# Altium PCB smoothieboard-alt.PcbDoc (part 2 of 3)
Units mm, origin at the board's own origin, x right, y up, seen from the top; angles counter-clockwise.
Board outline 129.67 x 105.03 mm, 4 copper layers (Top Layer, Layer 1, Layer 2, Bottom Layer), stack 1.876 mm thick; 360 components, 243 nets, 1161 pads, 133 vias.
Unrouted connection lines stored in the file: 613.
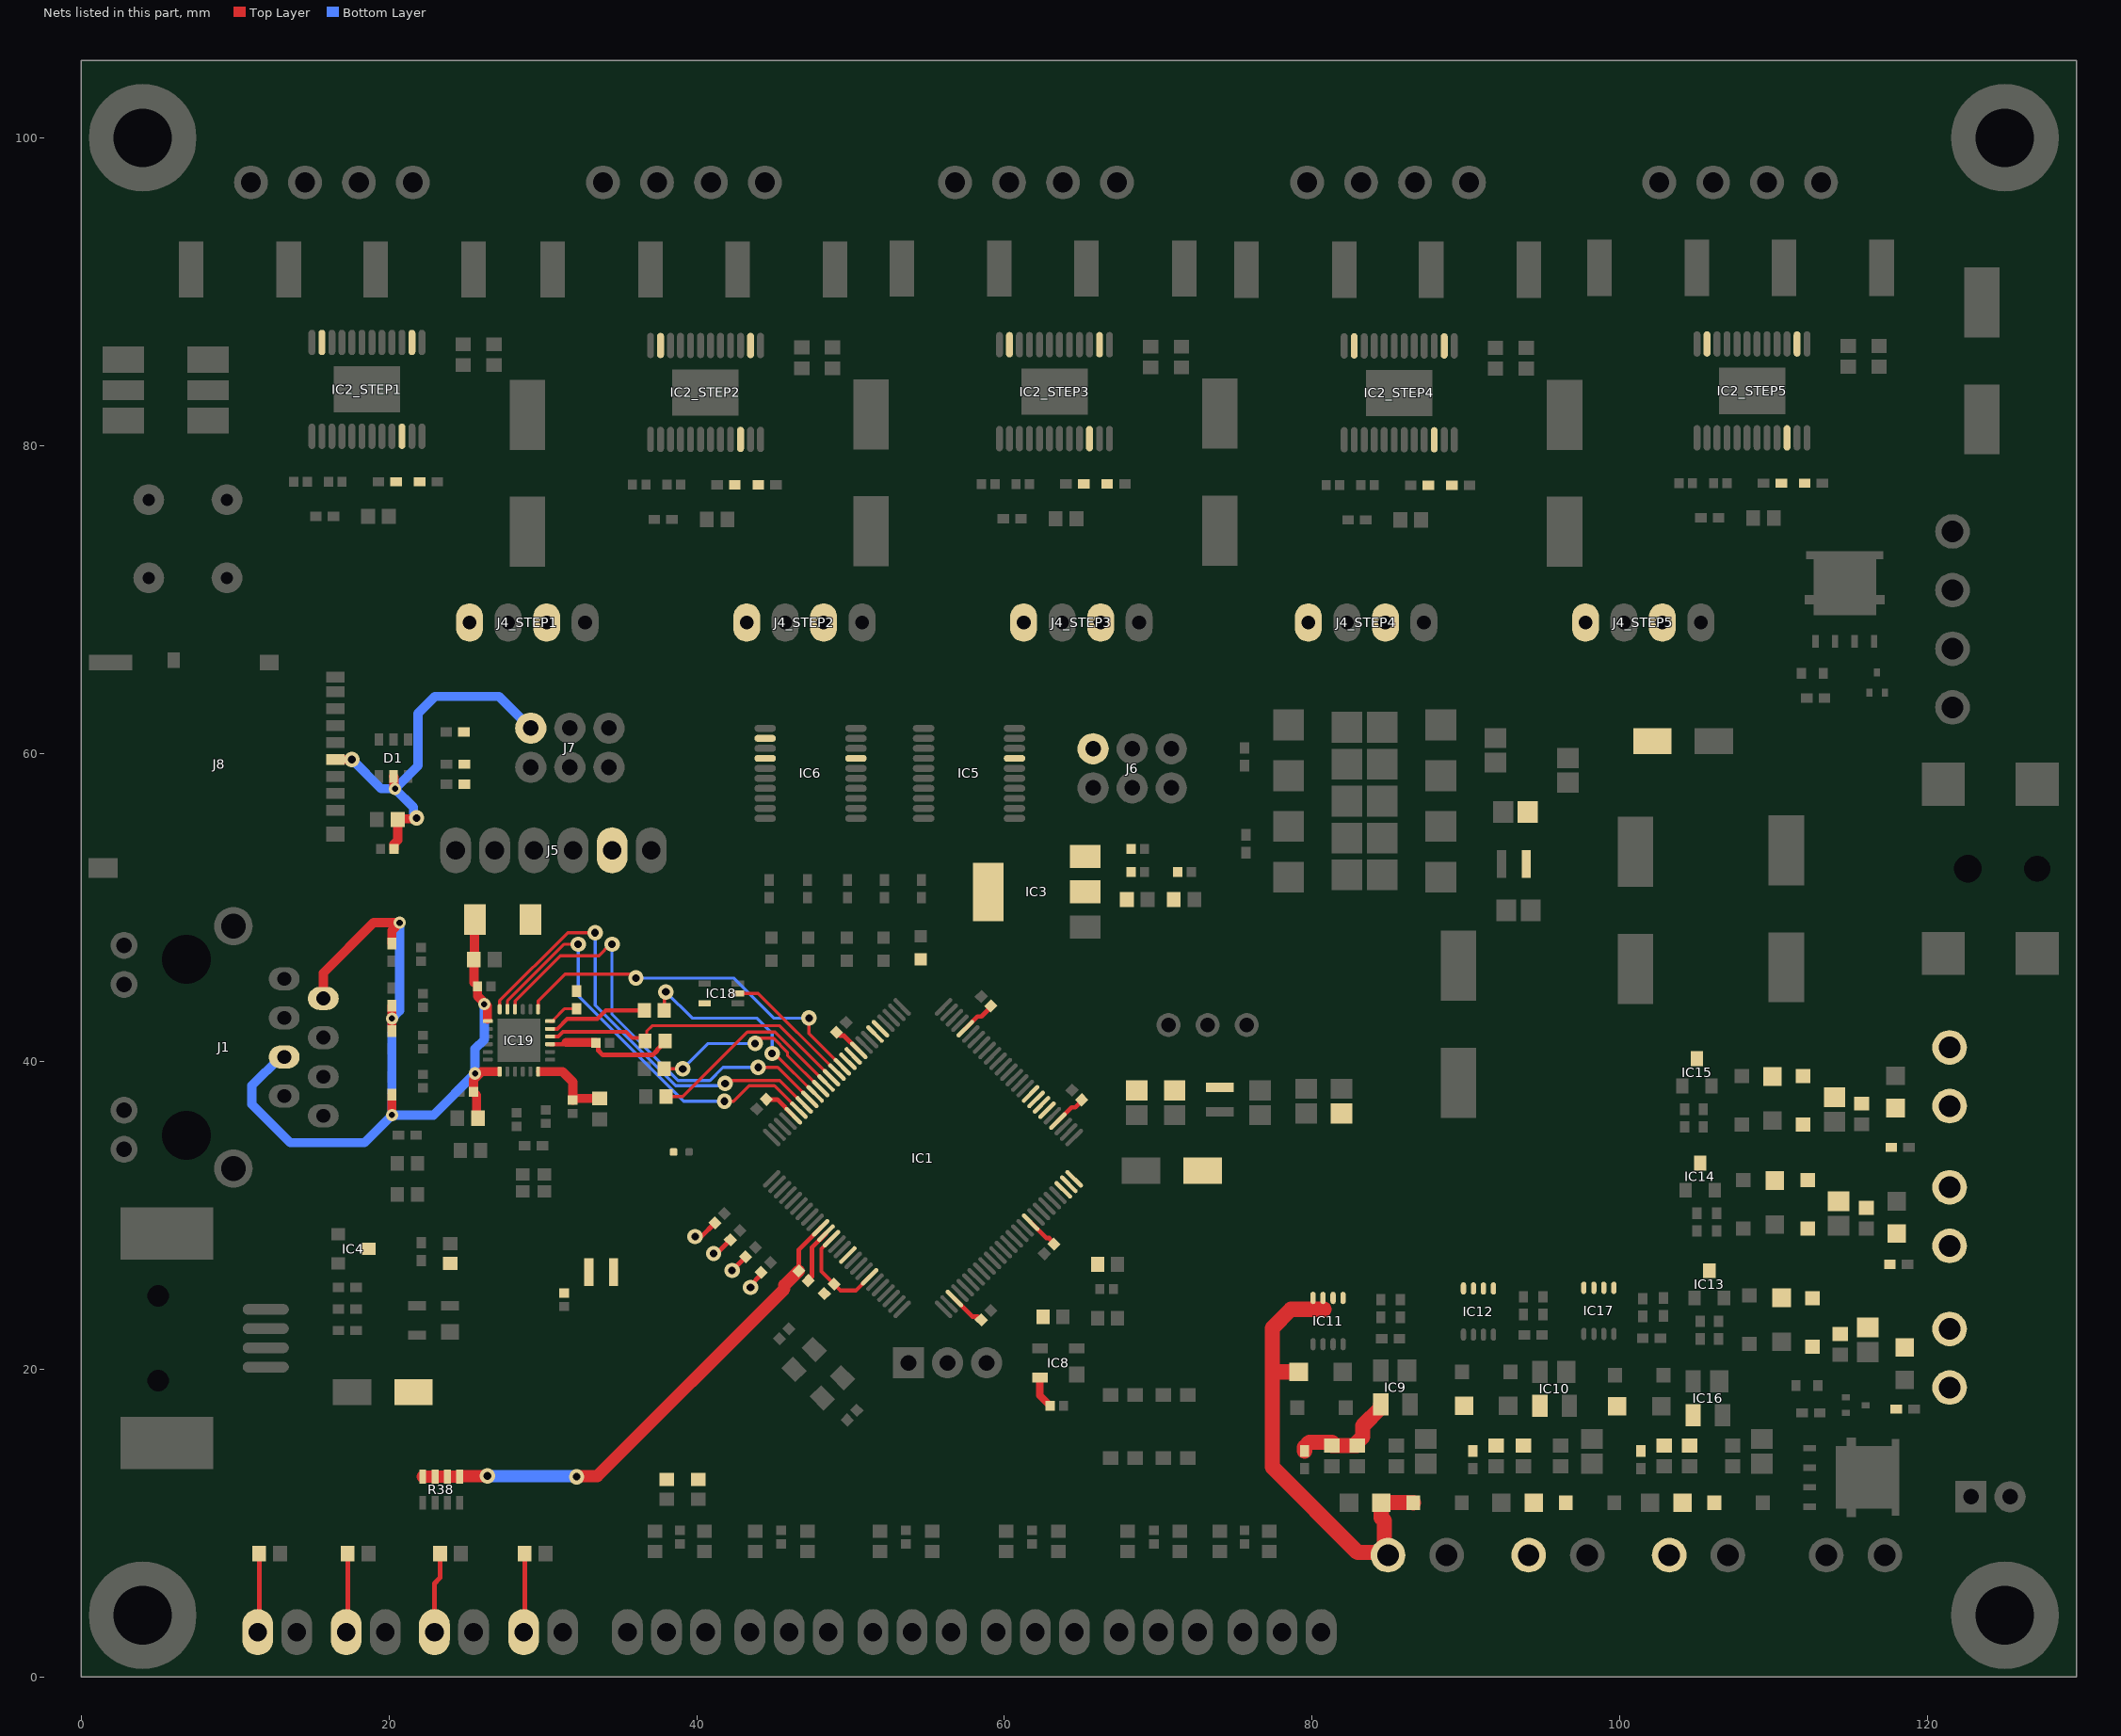
[diagram p3: the nets of this part, all layers, seen from the top]

## Part data
A1: "DC DC CONVERTER 5V 3W", Current - Output (Max)=500mA, Manufacturer="Recom Power", Operating Temperature="-40°C ~ 85°C", Package / Case="3-SIP Module", Power (Watts)=3W, Supplier Part Number 1=945-1648-5-ND, Voltage - Input (Max)=28V, Voltage - Input (Min)=7V, Voltage - Output 1=5V, Applications="ITE (Commercial)", ComponentLink1Description=Datasheet, ComponentLink1URL=https://www.recom-power.com/pdf/Innoline/R-78Exx-0.5.pdf, ComponentLink2Description="DigiKey Link", ComponentLink2URL=http://digikey.com/product-detail/en/recom-power/R-78E5.0-0.5/945-1648-5-ND/2834904, Efficiency=92%, Features=SCP, LastUpdated="9/2/2020 01:30:58", Lifecycle Status=Active, Minimum Order=1, Mounting Type="Through Hole", Number of Outputs=1, Packaging=Tube, Part Number=R-78E5.0-0.5, Part Status=Active, PartId=30, Price=2.70, Series="INNOLINE R-78E", Size / Dimension="0.46\" L x 0.33\" W x 0.41\" H (11.6mm x 8.5mm x 10.4mm)", Supplier 1=DigiKey, Type="Linear Regulator Replacement"
A2: "DC/DC POWER MODULE 5A 1.0 TO 12.", Current - Output (Max)=5A, Device Package="18-BLGA Module", Manufacturer="Monolithic Power Systems Inc.", Operating Temperature="-40°C ~ 125°C", Supplier Device Package="18-LGA (12x12)", Supplier Part Number 1=1589-2043-ND, Voltage - Input (Max)=36V, Voltage - Input (Min)=4.5V, Voltage - Output 1="1 ~ 12V", Applications="ITE (Commercial)", ComponentLink1Description=Datasheet, ComponentLink1URL=https://www.monolithicpower.com/en/documentview/productdocument/index/doc_url/L20vcC9tcG0zNTUwZV9yMS4wLnBkZg/prod_id/MzE5Ng/, ComponentLink2Description="DigiKey Link", ComponentLink2URL=http://digikey.com/product-detail/en/monolithic-power-systems-inc/MPM3550EGLE/1589-2043-ND/10223607, Efficiency=94.6%, Features="OCP, OTP, SCP, UVLO", LastUpdated="4/5/2020 00:28:48", Lifecycle Status=Active, Minimum Order=1, Mounting Type="Surface Mount", Number of Outputs=1, Package / Case="18-BLGA Module", Packaging=Unknown, Part Number=MPM3550EGLE, Part Status=Active, PartId=26, Price=9.16, Series=-, Size / Dimension="0.47\" L x 0.47\" W x 0.17\" H (12.0mm x 12.0mm x 4.2mm)", Supplier 1=DigiKey, Type="Non-Isolated PoL Module"
C1 C2 C3 C4 C5 C6 C7 C16 C17 C19 C20 C21 C22 C23 C24 C25 C26 C27 C29 C31 C33 C35 C37 C44 C45 C47 C48 C53 C75 C77 C78 C79: library part CC0402MRX5R5BB104, "CAP CER 0.1UF 6.3V X5R 0402", Device Package="0402 (1005 Metric)", Manufacturer=Yageo, Operating Temperature="-55°C ~ 85°C", Supplier Part Number 1=311-3818-1-ND, Temperature Coefficient=X5R, Tolerance=±20%, Voltage - Rated=6.3V, Applications="General Purpose", Capacitance=0.1µF, ComponentLink1Description=Datasheet, ComponentLink1URL=https://www.yageo.com/upload/media/product/productsearch/datasheet/mlcc/UPY-GPHC_X5R_4V-to-50V_25.pdf, ComponentLink2Description="DigiKey Link", ComponentLink2URL=http://digikey.com/product-detail/en/yageo/CC0402MRX5R5BB104/311-3818-1-ND/8024907, LastUpdated="9/2/2020 01:02:24", Lifecycle Status=Active, Minimum Order=1, Mounting Type="Surface Mount, MLCC", Package / Case="0402 (1005 Metric)", Packaging=CutTape, Part Number=CC0402MRX5R5BB104, Part Status=Active, PartId=1960, Price=0.10, Series=CC, Size / Dimension="0.039\" L x 0.020\" W (1.00mm x 0.50mm)", Supplier 1=DigiKey, Thickness (Max)="0.022\" (0.55mm)"
C8 C9 C42 C43: library part C0402C120J8GAC7867, "CAP CER 12PF 10V NP0 0402", Device Package="0402 (1005 Metric)", Manufacturer=KEMET, Operating Temperature="-55°C ~ 125°C", Supplier Part Number 1=399-14417-1-ND, Temperature Coefficient="C0G, NP0", Tolerance=±5%, Voltage - Rated=10V, Applications="General Purpose", Capacitance=12pF, ComponentLink1Description=Datasheet, ComponentLink1URL=https://api.kemet.com/component-edge/download/datasheet/C0402C120J8GACTU.pdf, ComponentLink2Description="DigiKey Link", ComponentLink2URL=http://digikey.com/product-detail/en/kemet/C0402C120J8GAC7867/399-14417-1-ND/7103709, Features="Low ESL", LastUpdated="9/2/2020 01:02:11", Lifecycle Status=Active, Minimum Order=1, Mounting Type="Surface Mount, MLCC", Package / Case="0402 (1005 Metric)", Packaging=TapeAndReel, Part Number=C0402C120J8GAC7867, Part Status=Active, PartId=7556, Price=0.07, Series="SMD Comm C0G", Size / Dimension="0.039\" L x 0.020\" W (1.00mm x 0.50mm)", Supplier 1=DigiKey, Thickness (Max)="0.022\" (0.55mm)"
C10_STEP1 C10_STEP2 C10_STEP3 C10_STEP4 C10_STEP5: library part C0603C104K5RAC7411, "CAP CER 0.1UF 50V X7R 0603", Device Package="0603 (1608 Metric)", Manufacturer=KEMET, Operating Temperature="-55°C ~ 125°C", Supplier Part Number 1=399-7374-2-ND, Temperature Coefficient=X7R, Tolerance=±10%, Voltage - Rated=50V, Applications="Bypass, Decoupling", Capacitance=0.1µF, ComponentLink1Description=Datasheet, ComponentLink1URL=https://api.kemet.com/component-edge/download/datasheet/C0603C104K5RAC7411.pdf, ComponentLink2Description="DigiKey Link", ComponentLink2URL=http://digikey.com/product-detail/en/kemet/C0603C104K5RAC7411/399-7374-2-ND/3317013, LastUpdated="9/2/2020 01:03:36", Lifecycle Status=Active, Minimum Order=15000, Mounting Type="Surface Mount, MLCC", Package / Case="0603 (1608 Metric)", Packaging=TapeAndReel, Part Number=C0603C104K5RAC7411, Part Status=Active, PartId=2233, Price=0.02, Series="SMD Comm X7R", Size / Dimension="0.063\" L x 0.031\" W (1.60mm x 0.80mm)", Supplier 1=DigiKey, Thickness (Max)="0.035\" (0.90mm)"
C11_STEP1 C11_STEP2 C11_STEP3 C11_STEP4 C11_STEP5 C46 C49: library part UMK107ABJ105MAHT, "CAP CER 1UF 50V X5R 0603", Device Package="0603 (1608 Metric)", Manufacturer="Taiyo Yuden", Operating Temperature="-55°C ~ 85°C", Ratings=AEC-Q200, Supplier Part Number 1=587-4958-1-ND, Temperature Coefficient=X5R, Tolerance=±20%, Voltage - Rated=50V, Applications="Automotive, SMPS Filtering", Capacitance=1µF, ComponentLink1Description=Datasheet, ComponentLink1URL=https://www.yuden.co.jp/productdata/catalog/mlcc_all_hq_e.pdf, ComponentLink2Description="DigiKey Link", ComponentLink2URL=http://digikey.com/product-detail/en/taiyo-yuden/UMK107ABJ105MAHT/587-4958-1-ND/6563801, LastUpdated="9/2/2020 01:03:34", Lifecycle Status=Active, Minimum Order=1, Mounting Type="Surface Mount, MLCC", Package / Case="0603 (1608 Metric)", Packaging=TapeAndReel, Part Number=UMK107ABJ105MAHT, Part Status=Active, PartId=3194, Price=0.04, Series=M, Size / Dimension="0.063\" L x 0.031\" W (1.60mm x 0.80mm)", Supplier 1=DigiKey, Thickness (Max)="0.037\" (0.95mm)"
C12_STEP1 C12_STEP2 C12_STEP3 C12_STEP4 C12_STEP5: library part 63SEV47M8X10.5, "CAP ALUM 47UF 20% 63V SMD", Device Package="Radial, Can - SMD", Lifetime @ Temp.="2000 Hrs @ 85°C", Manufacturer=Rubycon, Operating Temperature="-40°C ~ 85°C", Ratings=AEC-Q200, Ripple Current @ High Frequency="255mA @ 10kHz", Ripple Current @ Low Frequency="170mA @ 120Hz", Supplier Part Number 1=1189-2502-1-ND, Tolerance=±20%, Voltage - Rated=63V, Applications=Automotive, Capacitance=47µF, ComponentLink1Description=Datasheet, ComponentLink1URL=http://www.rubycon.co.jp/en/catalog/e_pdfs/aluminum/e_sev.pdf, ComponentLink2Description="DigiKey Link", ComponentLink2URL=http://digikey.com/product-detail/en/rubycon/63SEV47M8X10.5/1189-2502-1-ND/4842406, Height - Seated (Max)="0.413\" (10.50mm)", LastUpdated="9/2/2020 01:25:13", Lifecycle Status=Active, Minimum Order=1, Mounting Type="Surface Mount", Package / Case="Radial, Can - SMD", Packaging=TapeAndReel, Part Number=63SEV47M8X10.5, Part Status=Active, PartId=7768, Polarization=Polar, Price=0.26, Series=SEV, Size / Dimension="0.315\" Dia (8.00mm)", Supplier 1=DigiKey, Surface Mount Land Size="0.327\" L x 0.327\" W (8.30mm x 8.30mm)"
C13_STEP1 C13_STEP2 C13_STEP3 C13_STEP4 C13_STEP5 C15_STEP1 C15_STEP2 C15_STEP3 C15_STEP4 C15_STEP5 C84_STEP1 C84_STEP2 C84_STEP3 C84_STEP4 C84_STEP5 C85_STEP1 C85_STEP2 C85_STEP3 C85_STEP4 C85_STEP5: library part CGA2B3X5R1V104K050BB, "CAP CER 0.1UF 35V X5R 0402", Device Package="0402 (1005 Metric)", Manufacturer="TDK Corporation", Operating Temperature="-55°C ~ 85°C", Ratings=AEC-Q200, Supplier Part Number 1=445-12199-1-ND, Temperature Coefficient=X5R, Tolerance=±10%, Voltage - Rated=35V, Applications=Automotive, Capacitance=0.1µF, ComponentLink1Description=Datasheet, ComponentLink1URL=https://product.tdk.com/info/en/catalog/datasheets/mlcc_automotive_general_en.pdf?ref_disty=digikey, ComponentLink2Description="DigiKey Link", ComponentLink2URL=http://digikey.com/product-detail/en/tdk-corporation/CGA2B3X5R1V104K050BB/445-12199-1-ND/3953865, LastUpdated="9/2/2020 01:01:59", Lifecycle Status=Active, Minimum Order=1, Mounting Type="Surface Mount, MLCC", Package / Case="0402 (1005 Metric)", Packaging=TapeAndReel, Part Number=CGA2B3X5R1V104K050BB, Part Status=Active, PartId=11879, Price=0.02, Series=CGA, Size / Dimension="0.039\" L x 0.020\" W (1.00mm x 0.50mm)", Supplier 1=DigiKey, Thickness (Max)="0.022\" (0.55mm)"
C14_STEP1 C14_STEP2 C14_STEP3 C14_STEP4 C14_STEP5: library part CC0603MRX7R6BB224, "CAP CER 0.22UF 10V X7R 0603", Device Package="0603 (1608 Metric)", Manufacturer=Yageo, Operating Temperature="-55°C ~ 125°C", Supplier Part Number 1=311-4106-1-ND, Temperature Coefficient=X7R, Tolerance=±20%, Voltage - Rated=10V, Applications="General Purpose", Capacitance=0.22µF, ComponentLink1Description=Datasheet, ComponentLink1URL=https://www.yageo.com/upload/media/product/productsearch/datasheet/mlcc/UPY-GPHC_X7R_6.3V-to-50V_18.pdf, ComponentLink2Description="DigiKey Link", ComponentLink2URL=http://digikey.com/product-detail/en/yageo/CC0603MRX7R6BB224/311-4106-1-ND/8025195, LastUpdated="9/2/2020 01:03:36", Lifecycle Status=Active, Minimum Order=1, Mounting Type="Surface Mount, MLCC", Package / Case="0603 (1608 Metric)", Packaging=TapeAndReel, Part Number=CC0603MRX7R6BB224, Part Status=Active, PartId=2295, Price=0.02, Series=CC, Size / Dimension="0.063\" L x 0.031\" W (1.60mm x 0.80mm)", Supplier 1=DigiKey, Thickness (Max)="0.035\" (0.90mm)"
C18 C30 C32 C34 C36: library part CL10B105KQ8NNNC, "CAP CER 1UF 6.3V X7R 0603", Device Package="0603 (1608 Metric)", Manufacturer="Samsung Electro-Mechanics", Operating Temperature="-55°C ~ 125°C", Supplier Part Number 1=1276-1024-1-ND, Temperature Coefficient=X7R, Tolerance=±10%, Voltage - Rated=6.3V, Applications="General Purpose", Capacitance=1µF, ComponentLink1Description=Datasheet, ComponentLink1URL=http://www.samsungsem.com/kr/support/product-search/mlcc/CL10B105KQ8NNNC.jsp, ComponentLink2Description="DigiKey Link", ComponentLink2URL=http://digikey.com/product-detail/en/samsung-electro-mechanics/CL10B105KQ8NNNC/1276-1024-1-ND/3889110, LastUpdated="9/2/2020 01:03:22", Lifecycle Status=Active, Minimum Order=1, Mounting Type="Surface Mount, MLCC", Package / Case="0603 (1608 Metric)", Packaging=TapeAndReel, Part Number=CL10B105KQ8NNNC, Part Status=Active, PartId=9830, Price=0.01, Series=CL, Size / Dimension="0.063\" L x 0.031\" W (1.60mm x 0.80mm)", Supplier 1=DigiKey, Thickness (Max)="0.035\" (0.90mm)"
C28 C51 C83: library part EEE-FK1J680UP, "CAP ALUM 68UF 20% 63V SMD", Device Package="Radial, Can - SMD", Lifetime @ Temp.="2000 Hrs @ 105°C", Manufacturer="Panasonic Electronic Components", Operating Temperature="-55°C ~ 105°C", Ratings=AEC-Q200, Ripple Current @ High Frequency="250mA @ 100kHz", Ripple Current @ Low Frequency="187.5mA @ 120Hz", Supplier Part Number 1=PCE4307CT-ND, Tolerance=±20%, Voltage - Rated=63V, Applications=Automotive, Capacitance=68µF, ComponentLink2Description="DigiKey Link", ComponentLink2URL=http://digikey.com/product-detail/en/panasonic-electronic-components/EEE-FK1J680UP/PCE4307CT-ND/949813, Height - Seated (Max)="0.413\" (10.50mm)", Impedance="650 mOhms", LastUpdated="9/2/2020 01:25:16", Lifecycle Status=Active, Minimum Order=1, Mounting Type="Surface Mount", Package / Case="Radial, Can - SMD", Packaging=TapeAndReel, Part Number=EEE-FK1J680UP, Part Status=Active, PartId=7487, Polarization=Polar, Price=0.25, Series=FK, Size / Dimension="0.315\" Dia (8.00mm)", Supplier 1=DigiKey, Surface Mount Land Size="0.327\" L x 0.327\" W (8.30mm x 8.30mm)"
C38 C39 C40 C41: library part VJ0402A180JXJPW1BC, "CAP CER 18PF 16V C0G/NP0 0402", Device Package="0402 (1005 Metric)", Manufacturer="Vishay Vitramon", Operating Temperature="-55°C ~ 125°C", Supplier Part Number 1=720-1639-1-ND, Temperature Coefficient="C0G, NP0", Tolerance=±5%, Voltage - Rated=16V, Applications="General Purpose", Capacitance=18pF, ComponentLink1Description=Datasheet, ComponentLink1URL=https://www.vishay.com/docs/28548/vjw1bcbascomseries.pdf, ComponentLink2Description="DigiKey Link", ComponentLink2URL=http://digikey.com/product-detail/en/vishay-vitramon/VJ0402A180JXJPW1BC/720-1639-1-ND/8324059, LastUpdated="9/2/2020 01:02:23", Lifecycle Status=Active, Minimum Order=1, Mounting Type="Surface Mount, MLCC", Package / Case="0402 (1005 Metric)", Packaging=TapeAndReel, Part Number=VJ0402A180JXJPW1BC, Part Status=Active, PartId=2399, Price=0.01, Series=VJ, Size / Dimension="0.039\" L x 0.020\" W (1.00mm x 0.50mm)", Supplier 1=DigiKey, Thickness (Max)="0.022\" (0.55mm)"
C50 C55 C56 C57 C58 C59 C60 C74 C76: library part GRM188R60J106KE47D, "CAP CER 10UF 6.3V X5R 0603", Device Package="0603 (1608 Metric)", Manufacturer="Murata Electronics", Operating Temperature="-55°C ~ 85°C", Supplier Part Number 1=490-12538-1-ND, Temperature Coefficient=X5R, Tolerance=±10%, Voltage - Rated=6.3V, Applications="General Purpose", Capacitance=10µF, ComponentLink1Description=Datasheet, ComponentLink1URL=https://search.murata.co.jp/Ceramy/image/img/A01X/G101/ENG/GRM188R60J106KE47-02.pdf, ComponentLink2Description="DigiKey Link", ComponentLink2URL=http://digikey.com/product-detail/en/murata-electronics/GRM188R60J106KE47D/490-12538-1-ND/5797528, LastUpdated="9/2/2020 01:03:11", Lifecycle Status=Active, Minimum Order=1, Mounting Type="Surface Mount, MLCC", Package / Case="0603 (1608 Metric)", Packaging=TapeAndReel, Part Number=GRM188R60J106KE47D, Part Status=Active, PartId=14982, Price=0.03, Series=GRM, Size / Dimension="0.063\" L x 0.031\" W (1.60mm x 0.80mm)", Supplier 1=DigiKey, Thickness (Max)="0.035\" (0.90mm)"
C52: library part 0805J0500104JXT, "CAP CER 0.1UF 50V X7R 0805", Device Package="0805 (2012 Metric)", Manufacturer="Knowles Syfer", Operating Temperature="-55°C ~ 125°C", Supplier Part Number 1=1608-1475-1-ND, Temperature Coefficient="X7R (2R1)", Tolerance=±5%, Voltage - Rated=50V, Applications="General Purpose", Capacitance=0.1µF, ComponentLink1Description=Datasheet, ComponentLink1URL=https://www.knowlescapacitors.com/getattachment/2dbfc8bc-e2b3-4b4d-afb1-43b011b9ebe0/High-Std-Voltage.aspx, ComponentLink2Description="DigiKey Link", ComponentLink2URL=http://digikey.com/product-detail/en/knowles-syfer/0805J0500104JXT/1608-1475-1-ND/8124011, LastUpdated="9/2/2020 01:04:16", Lifecycle Status=Active, Minimum Order=1, Mounting Type="Surface Mount, MLCC", Package / Case="0805 (2012 Metric)", Packaging=TapeAndReel, Part Number=0805J0500104JXT, Part Status=Active, PartId=15443, Price=0.21, Series=-, Size / Dimension="0.079\" L x 0.049\" W (2.00mm x 1.25mm)", Supplier 1=DigiKey, Thickness (Max)="0.051\" (1.30mm)"
C54 C71 C82: library part GRM21BR61H106KE43L, "0805 (2012MM) X5R (EIA) 50VDC 10", Device Package="0805 (2012 Metric)", Manufacturer="Murata Electronics", Operating Temperature="-55°C ~ 85°C", Supplier Part Number 1=490-18663-1-ND, Temperature Coefficient=X5R, Tolerance=±10%, Voltage - Rated=50V, Applications="General Purpose", Capacitance=10µF, ComponentLink1Description=Datasheet, ComponentLink1URL=https://search.murata.co.jp/Ceramy/image/img/A01X/G101/ENG/GRM21BR61H106KE43-01A.pdf, ComponentLink2Description="DigiKey Link", ComponentLink2URL=http://digikey.com/product-detail/en/murata-electronics/GRM21BR61H106KE43L/490-18663-1-ND/10326328, LastUpdated="9/2/2020 01:04:31", Lifecycle Status=Active, Minimum Order=1, Mounting Type="Surface Mount, MLCC", Package / Case="0805 (2012 Metric)", Packaging=TapeAndReel, Part Number=GRM21BR61H106KE43L, Part Status=Active, PartId=8559, Price=0.10, Series=GRM, Size / Dimension="0.079\" L x 0.049\" W (2.00mm x 1.25mm)", Supplier 1=DigiKey, Thickness (Max)="0.057\" (1.45mm)"
C61 C62 C63: library part CML0603X7R104KT50V, "CAP CER 0.1UF 50V X7R 0603", Device Package="0603 (1608 Metric)", Manufacturer="Stackpole Electronics Inc", Operating Temperature="-55°C ~ 125°C", Supplier Part Number 1=738-CML0603X7R104KT50VCT-ND, Temperature Coefficient=X7R, Tolerance=±10%, Voltage - Rated=50V, Applications="General Purpose", Capacitance=0.1µF, ComponentLink1Description=Datasheet, ComponentLink1URL=http://www.seielect.com/Catalog/SEI-CML.PDF, ComponentLink2Description="DigiKey Link", ComponentLink2URL=http://digikey.com/product-detail/en/stackpole-electronics-inc/CML0603X7R104KT50V/738-CML0603X7R104KT50VCT-ND/10660220, LastUpdated="9/2/2020 01:03:28", Lifecycle Status=Active, Minimum Order=1, Mounting Type="Surface Mount, MLCC", Package / Case="0603 (1608 Metric)", Packaging=Unknown, Part Number=CML0603X7R104KT50V, Part Status=Active, PartId=26324, Price=0.01, Series=CML_X7R, Supplier 1=DigiKey
C64 C65 C66 C67 C68 C69: library part 08051C105K4Z2A, "CAP CER 1UF 100V X7R 0805", Device Package="0805 (2012 Metric)", Manufacturer="AVX Corporation", Operating Temperature="-55°C ~ 125°C", Ratings=AEC-Q200, Supplier Part Number 1=478-12143-1-ND, Temperature Coefficient=X7R, Tolerance=±10%, Voltage - Rated=100V, Applications="Automotive, Boardflex Sensitive", Capacitance=1µF, ComponentLink1Description=Datasheet, ComponentLink1URL=http://datasheets.avx.com/AutoMLCC.pdf, ComponentLink2Description="DigiKey Link", ComponentLink2URL=http://digikey.com/product-detail/en/avx-corporation/08051C105K4Z2A/478-12143-1-ND/9374712, Features="Soft Termination", LastUpdated="9/2/2020 01:04:22", Lifecycle Status=Active, Minimum Order=1, Mounting Type="Surface Mount, MLCC", Package / Case="0805 (2012 Metric)", Packaging=TapeAndReel, Part Number=08051C105K4Z2A, Part Status=Active, PartId=13513, Price=0.10, Series=FLEXITERM®, Size / Dimension="0.079\" L x 0.049\" W (2.01mm x 1.25mm)", Supplier 1=DigiKey
C70 C73 C81: library part CL21A226MOCLRNC, "CAP CER 22UF 16V X5R 0805", Device Package="0805 (2012 Metric)", Manufacturer="Samsung Electro-Mechanics", Operating Temperature="-55°C ~ 85°C", Supplier Part Number 1=1276-6780-1-ND, Temperature Coefficient=X5R, Tolerance=±20%, Voltage - Rated=16V, Applications="General Purpose", Capacitance=22µF, ComponentLink1Description=Datasheet, ComponentLink1URL=http://www.samsungsem.com/kr/support/product-search/mlcc/CL21A226MOCLRNC.jsp, ComponentLink2Description="DigiKey Link", ComponentLink2URL=http://digikey.com/product-detail/en/samsung-electro-mechanics/CL21A226MOCLRNC/1276-6780-1-ND/5961639, Features="Low Profile", LastUpdated="9/2/2020 01:04:38", Lifecycle Status=Active, Minimum Order=1, Mounting Type="Surface Mount, MLCC", Package / Case="0805 (2012 Metric)", Packaging=TapeAndReel, Part Number=CL21A226MOCLRNC, Part Status=Active, PartId=4767, Price=0.07, Series=CL, Size / Dimension="0.079\" L x 0.049\" W (2.00mm x 1.25mm)", Supplier 1=DigiKey, Thickness (Max)="0.037\" (0.95mm)"
C72: library part 885012207031, "CAP CER 470PF 16V X7R 0805", Device Package="0805 (2012 Metric)", Manufacturer="Würth Elektronik", Operating Temperature="-55°C ~ 125°C", Supplier Part Number 1=732-8031-1-ND, Temperature Coefficient=X7R, Tolerance=±10%, Voltage - Rated=16V, Applications="General Purpose", Capacitance=470pF, ComponentLink1Description=Datasheet, ComponentLink1URL=https://katalog.we-online.de/pbs/datasheet/885012207031.pdf, ComponentLink2Description="DigiKey Link", ComponentLink2URL=http://digikey.com/product-detail/en/w-rth-elektronik/885012207031/732-8031-1-ND/5454658, LastUpdated="9/2/2020 01:04:14", Lifecycle Status=Active, Minimum Order=1, Mounting Type="Surface Mount, MLCC", Package / Case="0805 (2012 Metric)", Packaging=TapeAndReel, Part Number=885012207031, Part Status=Active, PartId=15932, Price=0.03, Series=WCAP-CSGP, Size / Dimension="0.079\" L x 0.049\" W (2.00mm x 1.25mm)", Supplier 1=DigiKey, Thickness (Max)="0.035\" (0.90mm)"
C80: library part GRM21BC71H475KE11K, "CAP CER 4.7UF 50V X7S 0805", Device Package="0805 (2012 Metric)", Manufacturer="Murata Electronics", Operating Temperature="-55°C ~ 125°C", Supplier Part Number 1=490-14656-1-ND, Temperature Coefficient=X7S, Tolerance=±10%, Voltage - Rated=50V, Applications="General Purpose", Capacitance=4.7µF, ComponentLink1Description=Datasheet, ComponentLink1URL=https://search.murata.co.jp/Ceramy/image/img/A01X/G101/ENG/GRM21BC71H475KE11-01.pdf, ComponentLink2Description="DigiKey Link", ComponentLink2URL=http://digikey.com/product-detail/en/murata-electronics/GRM21BC71H475KE11K/490-14656-1-ND/6606262, LastUpdated="9/2/2020 01:04:33", Lifecycle Status=Active, Minimum Order=1, Mounting Type="Surface Mount, MLCC", Package / Case="0805 (2012 Metric)", Packaging=TapeAndReel, Part Number=GRM21BC71H475KE11K, Part Status=Active, PartId=7400, Price=0.10, Series=GRM, Size / Dimension="0.079\" L x 0.049\" W (2.00mm x 1.25mm)", Supplier 1=DigiKey, Thickness (Max)="0.057\" (1.45mm)"
C86 C87 C88: library part C1608X5R1C475K080AE, "CAP CER 4.7UF 16V X5R 0603", Device Package="0603 (1608 Metric)", Manufacturer="TDK Corporation", Operating Temperature="-55°C ~ 85°C", Supplier Part Number 1=445-175225-1-ND, Temperature Coefficient=X5R, Tolerance=±10%, Voltage - Rated=16V, Applications="Boardflex Sensitive", Capacitance=4.7µF, ComponentLink1Description=Datasheet, ComponentLink1URL=https://product.tdk.com/info/en/catalog/datasheets/mlcc_commercial_soft_en.pdf?ref_disty=digikey, ComponentLink2Description="DigiKey Link", ComponentLink2URL=http://digikey.com/product-detail/en/tdk-corporation/C1608X5R1C475K080AE/445-175225-1-ND/7907789, Features="Soft Termination", LastUpdated="9/2/2020 01:03:07", Lifecycle Status=Active, Minimum Order=1, Mounting Type="Surface Mount, MLCC", Package / Case="0603 (1608 Metric)", Packaging=TapeAndReel, Part Number=C1608X5R1C475K080AE, Part Status=Active, PartId=16130, Price=0.06, Series=C, Size / Dimension="0.063\" L x 0.031\" W (1.60mm x 0.80mm)", Supplier 1=DigiKey, Thickness (Max)="0.039\" (1.00mm)"
D1: "TVS DIODE 5V 9V SOT26", Current - Peak Pulse (10/1000µs)="6A (8/20µs)", Device Package=SOT-23-6, Manufacturer="Diodes Incorporated", Operating Temperature="-55°C ~ 85°C (TA)", Power - Peak Pulse=55W, Power Line Protection=Yes, Supplier Device Package=SOT-26, Supplier Part Number 1=DT1042-04SO-7DICT-ND, Voltage - Breakdown (Min)=6.2V, Voltage - Clamping (Max) @ Ipp=9V, Voltage - Reverse Standoff (Typ)="5V (Max)", Applications=HDMI, ComponentLink1Description=Datasheet, ComponentLink1URL=https://www.diodes.com/assets/Datasheets/DT1042-04SO.pdf, ComponentLink2Description="DigiKey Link", ComponentLink2URL=http://digikey.com/product-detail/en/diodes-incorporated/DT1042-04SO-7/DT1042-04SO-7DICT-ND/4457893, LastUpdated="3/30/2020 16:25:53", Lifecycle Status=Active, Minimum Order=1, Mounting Type="Surface Mount", Package / Case=SOT-23-6, Packaging=TapeAndReel, Part Number=DT1042-04SO-7, Part Status=Active, PartId=10505, Price=0.08, Series=-, Supplier 1=DigiKey, Type="Steering (Rail to Rail)", Unidirectional Channels=4
D2: library part SLV6A-FKB-CK1P1G1BB7R3R3, "LED RGB 6PLCC SMD", Current - Test="20mA Red, 20mA Green, 20mA Blue", Device Package="6-SMD, J-Lead", Lens Color=2.60mm, Manufacturer="Cree Inc.", Millicandela Rating="840mcd Red, 1680mcd Green, 420mcd Blue", Supplier Device Package=6-PLCC, Supplier Part Number 1=SLV6A-FKB-CK1P1G1BB7R3R3CT-ND, Voltage - Forward (Vf) (Typ)="2V Red, 3.2V Green, 3.2V Blue", Color="Red, Green, Blue (RGB)", ComponentLink1Description=Datasheet, ComponentLink1URL=https://www.cree.com/led-components/media/documents/1320-SLV6A-FKB.pdf, ComponentLink2Description="DigiKey Link", ComponentLink2URL=http://digikey.com/product-detail/en/cree-inc/SLV6A-FKB-CK1P1G1BB7R3R3/SLV6A-FKB-CK1P1G1BB7R3R3CT-ND/6138648, Configuration=Independent, Height (Max)=2.60mm, LastUpdated="3/19/2020 22:22:30", Lens Size="4.20mm Dia", Lens Style="Round with Flat Top", Lifecycle Status=Active, Minimum Order=1, Mounting Type="Surface Mount", Package / Case="6-SMD, J-Lead", Packaging=TapeAndReel, Part Number=SLV6A-FKB-CK1P1G1BB7R3R3, Part Status=Active, PartId=954, Price=0.33, Series=SLV6A-FKB, Size / Dimension="5.50mm L x 5.30mm W", Supplier 1=DigiKey, Wavelength - Dominant="622nm Red, 530nm Green, 470nm Blue"
D3 D17 D18: "TVS DIODE 36V 58.1V SOD123", Current - Peak Pulse (10/1000µs)=3.44A, Manufacturer="Comchip Technology", Operating Temperature="-55°C ~ 150°C (TJ)", Package / Case=SOD-123F, Power - Peak Pulse=200W, Power Line Protection=No, Supplier Device Package=SOD-123, Supplier Part Number 1=641-1665-1-ND, Voltage - Breakdown (Min)=40V, Voltage - Clamping (Max) @ Ipp=58.1V, Voltage - Reverse Standoff (Typ)=36V, Applications=Automotive, ComponentLink1Description=Datasheet, ComponentLink1URL=http://www.comchiptech.com/admin/files/product/ATV02W-HF%20series%20RevC.pdf, ComponentLink2Description="DigiKey Link", ComponentLink2URL=http://digikey.com/product-detail/en/comchip-technology/ATV02W360-HF/641-1665-1-ND/5013870, LastUpdated="9/2/2020 01:28:36", Lifecycle Status=Active, Minimum Order=1, Mounting Type="Surface Mount", Packaging=TapeAndReel, Part Number=ATV02W360-HF, Part Status=Active, PartId=10119, Price=0.11, Series="Automotive, AEC-Q101", Supplier 1=DigiKey, Type=Zener, Unidirectional Channels=1
D4 D37: "DIODE ZENER 10V 150MW SOT523", Current - Reverse Leakage @ Vr="200nA @ 7V", Manufacturer="Diodes Incorporated", Operating Temperature="-65°C ~ 150°C", Package / Case=SOT-523, Power - Max=150mW, Supplier Part Number 1=BZX84C10T-FDICT-ND, Tolerance=±6%, Voltage - Forward (Vf) (Max) @ If="900mV @ 10mA", Voltage - Zener (Nom) (Vz)=10V, ComponentLink1Description=Datasheet, ComponentLink1URL=https://www.diodes.com/assets/Datasheets/ds30262.pdf, ComponentLink2Description="DigiKey Link", ComponentLink2URL=http://digikey.com/product-detail/en/diodes-incorporated/BZX84C10T-7-F/BZX84C10T-FDICT-ND/1142241, Impedance (Max) (Zzt)="20 Ohms", LastUpdated="9/2/2020 01:21:31", Lifecycle Status=Active, Minimum Order=1, Mounting Type="Surface Mount", Packaging=TapeAndReel, Part Number=BZX84C10T-7-F, Part Status=Active, PartId=778, Price=0.06, Series=-, Supplier 1=DigiKey, Supplier Device Package=SOT-523
D5 D7 D22: "DIODE SCHOTTKY 10V 2A SMA", Current - Average Rectified (Io)=2A, Current - Reverse Leakage @ Vr="700µA @ 10V", Manufacturer="ON Semiconductor", Operating Temperature - Junction="-55°C ~ 125°C", Package / Case="DO-214AC, SMA", Supplier Device Package=SMA, Supplier Part Number 1=MBRA210LT3GOSCT-ND, Voltage - DC Reverse (Vr) (Max)=10V, Voltage - Forward (Vf) (Max) @ If="350mV @ 2A", ComponentLink1Description=Datasheet, ComponentLink1URL=http://www.onsemi.com/pub/Collateral/MBRA210LT3-D.PDF, ComponentLink2Description="DigiKey Link", ComponentLink2URL=http://digikey.com/product-detail/en/on-semiconductor/MBRA210LT3G/MBRA210LT3GOSCT-ND/917974, Diode Type=Schottky, LastUpdated="9/2/2020 01:19:02", Lifecycle Status=Active, Minimum Order=1, Mounting Type="Surface Mount", Packaging=TapeAndReel, Part Number=MBRA210LT3G, Part Status=Active, PartId=2083, Price=0.15, Series=-, Speed="Fast Recovery =< 500ns, > 200mA (Io)", Supplier 1=DigiKey
D6 D38: "DIODE GEN PURP 100V 200MA SOD523", Current - Average Rectified (Io)="200mA (DC)", Current - Reverse Leakage @ Vr="100nA @ 80V", Manufacturer="ON Semiconductor", Operating Temperature - Junction="-55°C ~ 155°C", Package / Case="SC-79, SOD-523", Supplier Device Package=SOD-523, Supplier Part Number 1=1SS400T5GOSCT-ND, Voltage - DC Reverse (Vr) (Max)=100V, Voltage - Forward (Vf) (Max) @ If="1.2V @ 100mA", ComponentLink1Description=Datasheet, ComponentLink1URL=http://www.onsemi.com/pub/Collateral/1SS400T1-D.PDF, ComponentLink2Description="DigiKey Link", ComponentLink2URL=http://digikey.com/product-detail/en/on-semiconductor/1SS400T5G/1SS400T5GOSCT-ND/8538287, Diode Type=Standard, LastUpdated="9/2/2020 01:23:20", Lifecycle Status=Active, Minimum Order=1, Mounting Type="Surface Mount", Packaging=TapeAndReel, Part Number=1SS400T5G, Part Status=Active, PartId=2760, Price=0.08, Reverse Recovery Time (trr)=4ns, Series="Automotive, AEC-Q101", Speed="Fast Recovery =< 500ns, > 200mA (Io)", Supplier 1=DigiKey
D8 D9: library part LTST-C171KRKT, "LED RED CLEAR SMD", Current - Test=20mA, Device Package="0805 (2012 Metric)", Lens Color=Colorless, Manufacturer="Lite-On Inc.", Millicandela Rating=54mcd, Supplier Part Number 1=160-1427-1-ND, Voltage - Forward (Vf) (Typ)=2V, Color=Red, ComponentLink1Description=Datasheet, ComponentLink1URL=http://optoelectronics.liteon.com/upload/download/DS22-2000-109/LTST-C171KRKT.pdf, ComponentLink2Description="DigiKey Link", ComponentLink2URL=http://digikey.com/product-detail/en/lite-on-inc/LTST-C171KRKT/160-1427-1-ND/386800, Configuration=Standard, Height (Max)=0.90mm, LastUpdated="9/2/2020 01:21:01", Lens Size="1.40mm x 1.25mm", Lens Style="Rectangle with Flat Top", Lens Transparency=Clear, Lifecycle Status=Active, Minimum Order=1, Mounting Type="Surface Mount", Package / Case="0805 (2012 Metric)", Packaging=TapeAndReel, Part Number=LTST-C171KRKT, Part Status=Active, PartId=347, Price=0.05, Series=-, Size / Dimension="2.00mm L x 1.25mm W", Supplier 1=DigiKey, Viewing Angle=130°, Wavelength - Dominant=631nm, Wavelength - Peak=639nm